# Altium PCB Exter.PcbDoc (part 1 of 2) (continued)
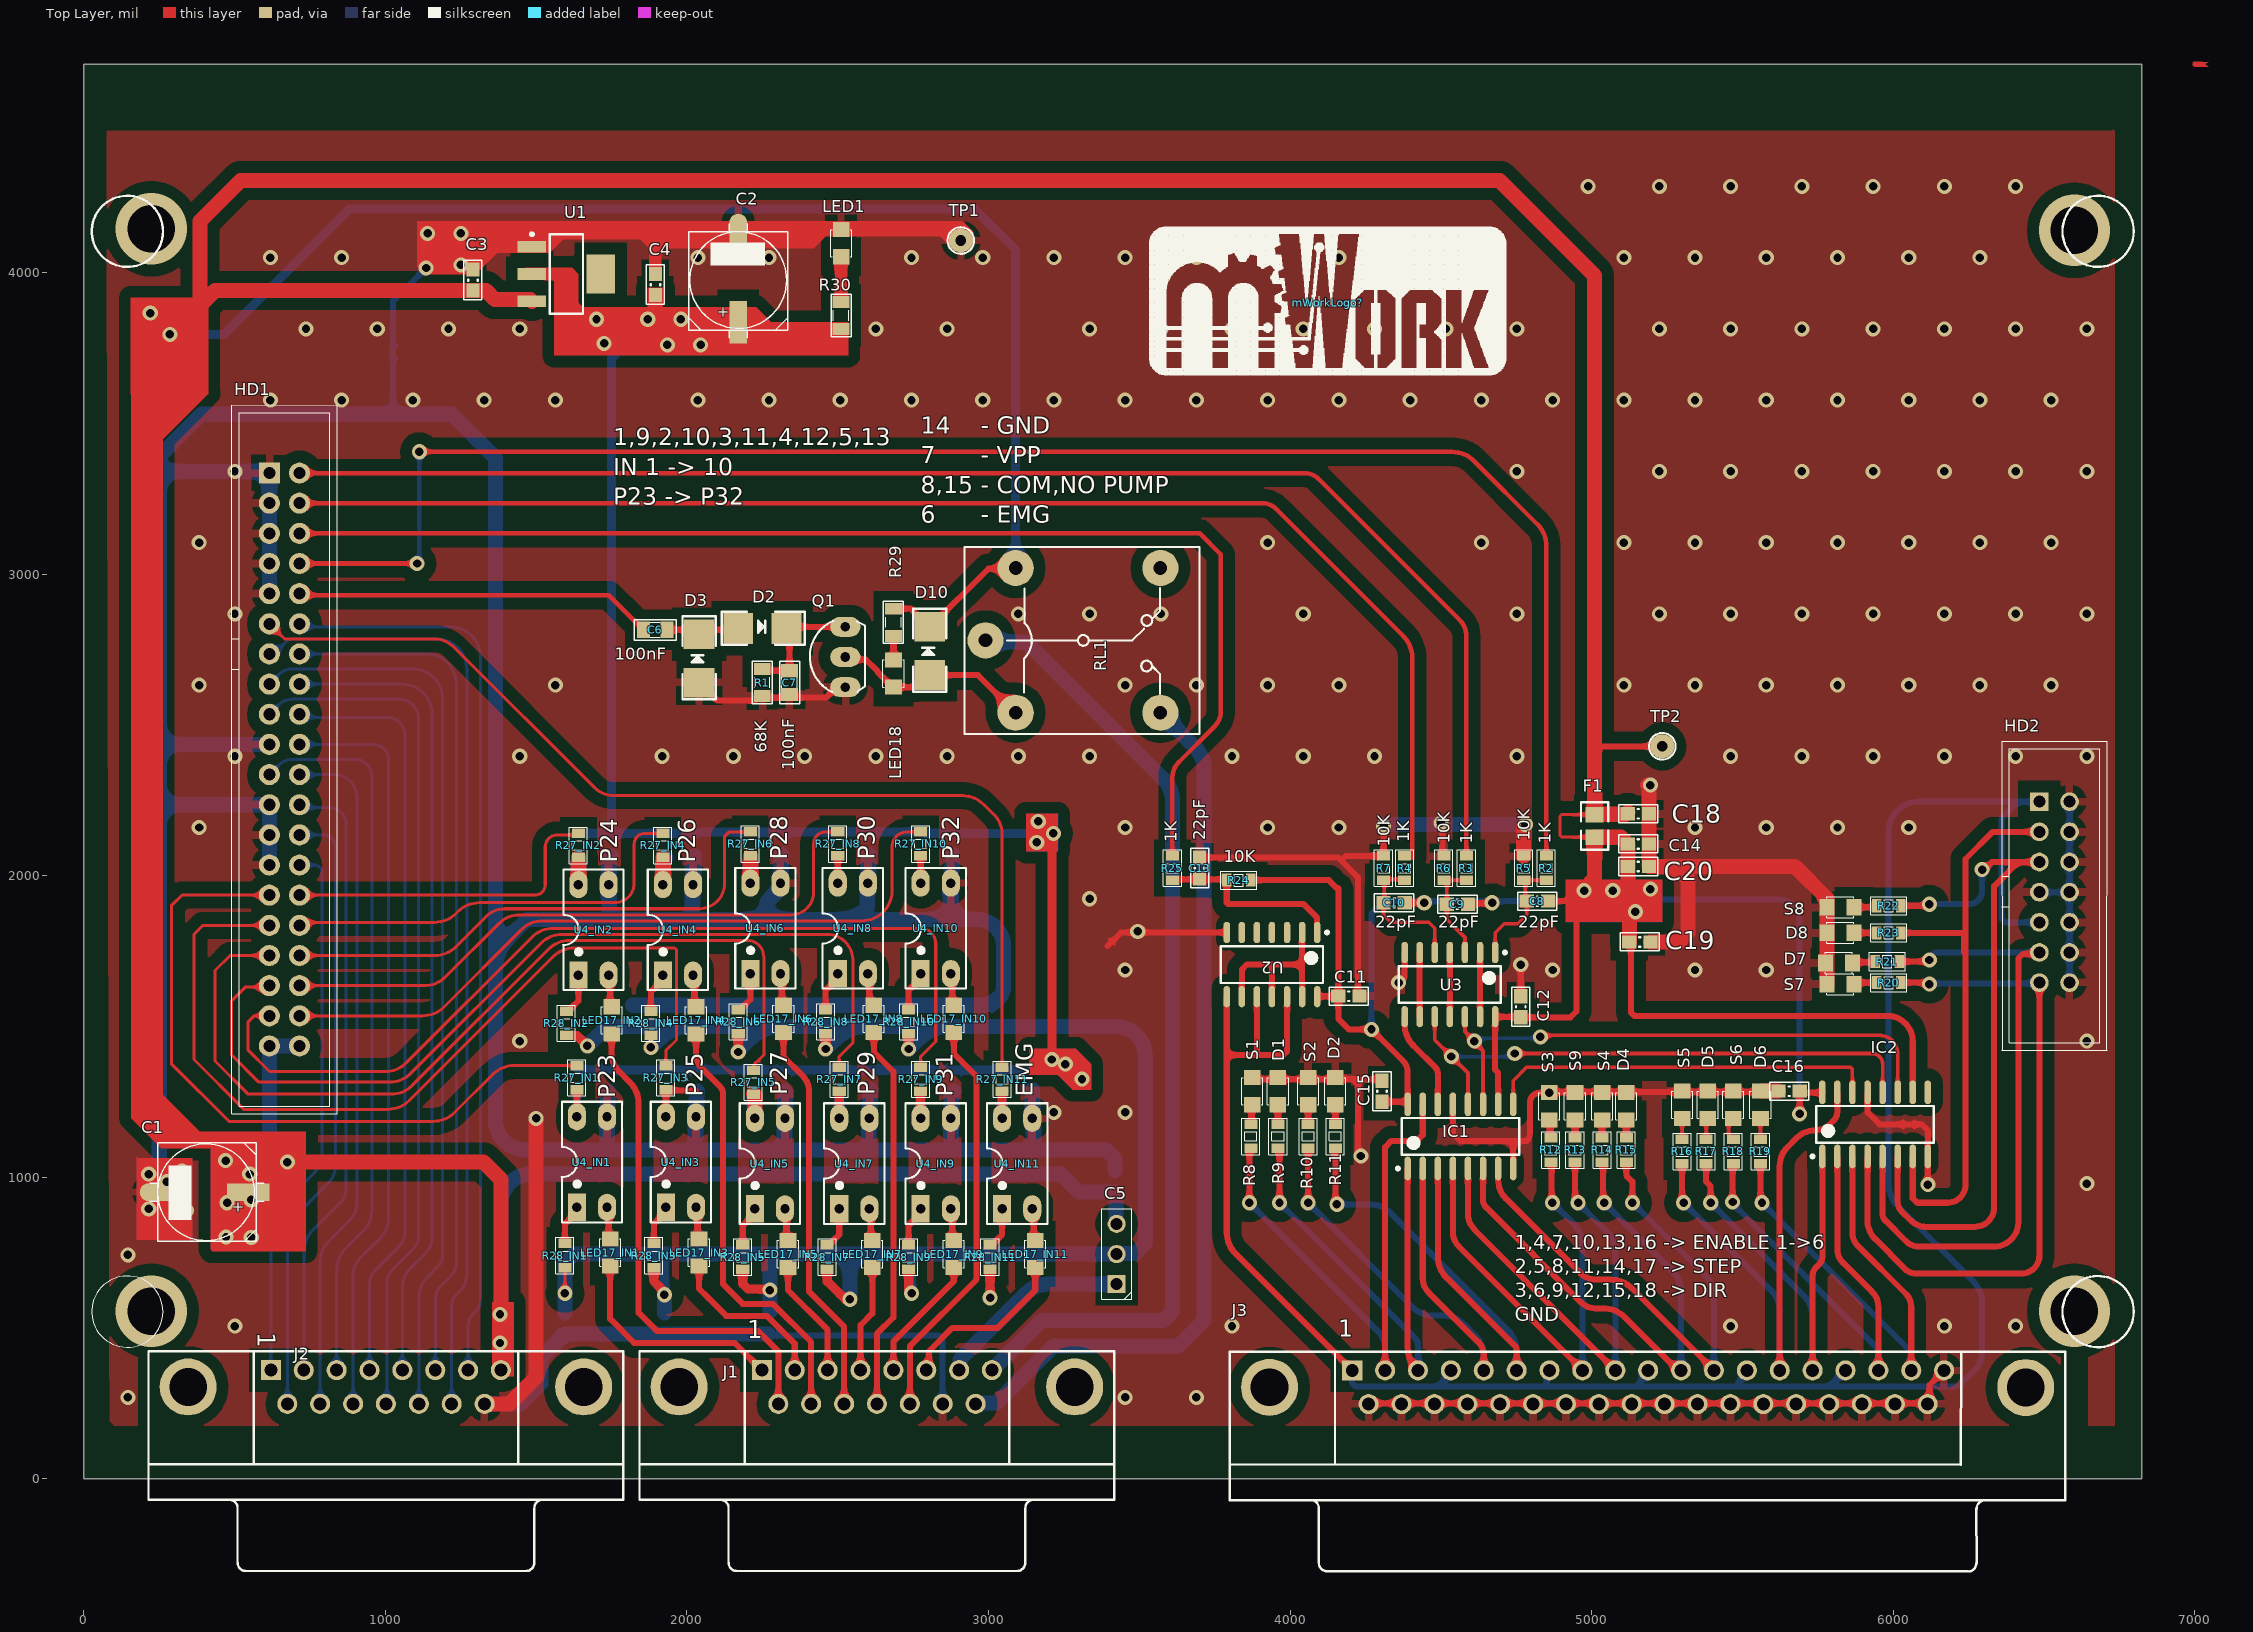
[diagram p0: Top Layer view]
## Classes and differential pairs
component class IN11: C17_IN11 LED17_IN11 R26_IN11 R27_IN11 R28_IN11 U4_IN11
component class IN10: C17_IN10 LED17_IN10 R26_IN10 R27_IN10 R28_IN10 U4_IN10
component class IN9: C17_IN9 LED17_IN9 R26_IN9 R27_IN9 R28_IN9 U4_IN9
component class IN8: C17_IN8 LED17_IN8 R26_IN8 R27_IN8 R28_IN8 U4_IN8
component class IN7: C17_IN7 LED17_IN7 R26_IN7 R27_IN7 R28_IN7 U4_IN7
component class IN6: C17_IN6 LED17_IN6 R26_IN6 R27_IN6 R28_IN6 U4_IN6
component class IN5: C17_IN5 LED17_IN5 R26_IN5 R27_IN5 R28_IN5 U4_IN5
component class IN4: C17_IN4 LED17_IN4 R26_IN4 R27_IN4 R28_IN4 U4_IN4
component class IN3: C17_IN3 LED17_IN3 R26_IN3 R27_IN3 R28_IN3 U4_IN3
component class IN2: C17_IN2 LED17_IN2 R26_IN2 R27_IN2 R28_IN2 U4_IN2
component class IN1: C17_IN1 LED17_IN1 R26_IN1 R27_IN1 R28_IN1 U4_IN1
channel class INPUT: IN1 IN2 IN3 IN4 IN5 IN6 IN7 IN8 IN9 IN10 IN11
component class ProExtBus: C8 C9 C10 C11 C12 C13 C14 C15 C16 C18 C19 C20 D1 D2 D4 D5 D6 D7 D8 F1 HD2 IC1 IC2 J3 LED2 LED3 LED4 LED5 LED6 LED7 LED8 LED9 LED10 LED11 LED12 LED13 LED14 LED15 LED16 R2 R3 R4 R5 R6 R7 R8 R9 R10 R11 R12 R13 R14 R15 R16 R17 R18 R19 R20 R21 R22 R23 R24 R25 S1 S2 S3 S4 S5 S6 S7 S8 S9 U2 U3
component class EXTERN: C1 C2 C3 C4 C5 C6 C7 C21 C22 C23 C24 C25 C26 C27 D2 D3 D10 HD1 J1 J2 LED1 LED2 LED4 LED6 LED18 mWorkLogo? Q1 R1 R29 R30 RL1 TP1 TP2 U1

## Components (designator, comment, footprint, x,y, rotation, side; value= is the part's Value field where it differs from the comment)
C1 "CN-ALU-SMD" CAP-ALU-SMD-F 405,950 r180 top
C2 "CN-ALU-SMD" CAP-ALU-SMD-F 2170,3975 r90 top
C3 "CN" CN-SMD-0603_big 1290,3975 r270 top value=33pF
C4 "CN" CN-SMD-0603_big 1895,3960 r270 top value=33pF
C5 "JP3" JP3-CLOSED 3425,645 r90 top
C6 "100nF" CN-SMD-0805 1895,2815 r0 top value=33pF
C7 "100nF" CN-SMD-0805 2340,2640 r90 top value=33pF
C8 "22pF" CN-SMD-0603_big 4820,1915 r0 top value=33pF
C9 "22pF" CN-SMD-0603_big 4555,1905 r0 top value=33pF
C10 "22pF" CN-SMD-0603_big 4345,1910 r0 top value=33pF
C11 "CN" CN-SMD-0603_big 4195,1600 r0 top value=33pF
C12 "CN" CN-SMD-0603_big 4765,1565 r90 top value=33pF
C13 "22pF" CN-SMD-0603_big 3700,2025 r270 top value=33pF
C14 "CN" CN-SMD-0603_big 5155,2105 r180 top value=33pF
C15 "CN" CN-SMD-0603_big 4305,1285 r270 top value=33pF
C16 "CN" CN-SMD-0603_big 5655,1285 r0 top value=33pF
C17_IN1 "CN" CN-SMD-0603_big 1740,1320 r270 bottom value=33pF (schematic designator C17)
C17_IN2 "CN" CN-SMD-0603_big 1750,2100 r270 bottom value=33pF (schematic designator C17)
C17_IN3 "CN" CN-SMD-0603_big 2035,1320 r270 bottom value=33pF (schematic designator C17)
C17_IN4 "CN" CN-SMD-0603_big 2025,2100 r270 bottom value=33pF (schematic designator C17)
C17_IN5 "CN" CN-SMD-0603_big 2325,1320 r270 bottom value=33pF (schematic designator C17)
C17_IN6 "CN" CN-SMD-0603_big 2315,2105 r270 bottom value=33pF (schematic designator C17)
C17_IN7 "CN" CN-SMD-0603_big 2610,1325 r270 bottom value=33pF (schematic designator C17)
C17_IN8 "CN" CN-SMD-0603_big 2605,2105 r270 bottom value=33pF (schematic designator C17)
C17_IN9 "CN" CN-SMD-0603_big 2885,1320 r270 bottom value=33pF (schematic designator C17)
C17_IN10 "CN" CN-SMD-0603_big 2880,2105 r270 bottom value=33pF (schematic designator C17)
C17_IN11 "CN" CN-SMD-0603_big 3145,1325 r270 bottom value=33pF (schematic designator C17)
C18 "CN" CN-SMD-0603_big 5155,2205 r180 top value=33pF
C19 "CN" CN-SMD-0603_big 5160,1780 r180 top value=33pF
C20 "CN" CN-SMD-0603_big 5155,2030 r180 top value=33pF
C21 "CN" CN-SMD-0603_big 2275,520 r90 bottom value=33pF
C22 "CN" CN-SMD-0603_big 1595,515 r90 bottom value=33pF
C23 "CN" CN-SMD-0603_big 1925,515 r90 bottom value=33pF
C24 "CN" CN-SMD-0603_big 3420,985 r270 bottom value=33pF
C25 "CN" CN-SMD-0603_big 2985,1535 r270 bottom value=33pF
C26 "CN" CN-SMD-0603_big 2392.5,1535 r270 bottom value=33pF
C27 "CN" CN-SMD-0603_big 1820,1535 r270 bottom value=33pF
D1 "LED" LED-0805-Blue 3959.83,1240 r90 top value="LED 3 - 5 ly 2 Colour"
D2 "LED" LED-0805-Blue 4150,1240 r90 top value="LED 3 - 5 ly 2 Colour"
D2 "Diode" DIO-SMD-106-HayDung 2250,2820 r180 top value=1N5007
D3 "Diode" DIO-SMD-106-HayDung 2040,2720 r270 top value=1N5007
D4 "LED" LED-0805-Blue 5115,1190 r90 top value="LED 3 - 5 ly 2 Colour"
D5 "LED" LED-0805-Blue 5385,1195 r90 top value="LED 3 - 5 ly 2 Colour"
D6 "LED" LED-0805-Blue 5560,1195 r90 top value="LED 3 - 5 ly 2 Colour"
D7 "LED" LED-0805-Blue 5865,1710 r180 top value="LED 3 - 5 ly 2 Colour"
D8 "LED" LED-0805-Blue 5870,1810 r180 top value="LED 3 - 5 ly 2 Colour"
D10 "1N4148" DIO-SMD-106-HayDung 2805,2745 r270 top value=1N5007
F1 "600R@100Mhz" Capacitor_805 5010,2165 r90 top
HD1 "IDC20X2" IDC40 615,3335 r270 top value="Header 5x2"
HD2 "IDC 7x2" IDC14 6485,2245 r270 top value="Header 5x2"
IC1 "74HC595" SO16 4565,1135 r90 top
IC2 "74HC595" SO16 5940,1175 r90 top
J1 "A32121-ND" DB15 2630,-70 r180 top locked
J2 "A32121-ND" DB15 1001.69,-70 r180 top locked
J3 "DB37 Female" DB37 5246.59,247.28 r270 top locked
LED1 "LED" LED-0805-Blue 2510.97,4052.19 r90 top value="LED 3 - 5 ly 2 Colour"
LED17_IN1 "LED" LED-0805-Green 1745,795 r270 top value="LED 3 - 5 ly 2 Colour" (schematic designator LED17)
LED17_IN2 "LED" LED-0805-Green 1750,1565 r270 top value="LED 3 - 5 ly 2 Colour" (schematic designator LED17)
LED17_IN3 "LED" LED-0805-Green 2040,795 r270 top value="LED 3 - 5 ly 2 Colour" (schematic designator LED17)
LED17_IN4 "LED" LED-0805-Green 2030,1565 r270 top value="LED 3 - 5 ly 2 Colour" (schematic designator LED17)
LED17_IN5 "LED" LED-0805-Green 2335,790 r270 top value="LED 3 - 5 ly 2 Colour" (schematic designator LED17)
LED17_IN6 "LED" LED-0805-Green 2320,1570 r270 top value="LED 3 - 5 ly 2 Colour" (schematic designator LED17)
LED17_IN7 "LED" LED-0805-Green 2615,790 r270 top value="LED 3 - 5 ly 2 Colour" (schematic designator LED17)
LED17_IN8 "LED" LED-0805-Green 2620,1570 r270 top value="LED 3 - 5 ly 2 Colour" (schematic designator LED17)
LED17_IN9 "LED" LED-0805-Green 2885,790 r270 top value="LED 3 - 5 ly 2 Colour" (schematic designator LED17)
LED17_IN10 "LED" LED-0805-Green 2885,1570 r270 top value="LED 3 - 5 ly 2 Colour" (schematic designator LED17)
LED17_IN11 "LED" LED-0805-Green 3155,790 r270 top value="LED 3 - 5 ly 2 Colour" (schematic designator LED17)
LED18 "LED" LED-0805-Blue 2685,2715 r270 top value="LED 3 - 5 ly 2 Colour"
mWorkLogo? "LogoMwork" LogoMwork30*12 4125,3900 r0 top
Q1 "2SC1815" TO92-123 2525,2725 r90 top value=C1815
R1 "68K" RES-SMD-0805 2250,2640 r270 top
R2 "1K" RES-SMD-0603_BIG 4850,2025 r90 top
R3 "1K" RES-SMD-0603_BIG 4585,2025 r90 top
R4 "1K" RES-SMD-0603_BIG 4380,2025 r90 top
R5 "10K" RES-SMD-0603_BIG 4775,2025 r90 top
R6 "10K" RES-SMD-0603_BIG 4510,2025 r90 top
R7 "10K" RES-SMD-0603_BIG 4310,2025 r90 top
R8 "R" RES-SMD-0603_BIG 3870,1135 r90 top
R9 "R" RES-SMD-0603_BIG 3960,1135 r90 top
R10 "R" RES-SMD-0603_BIG 4060,1135 r90 top
R11 "R" RES-SMD-0603_BIG 4150,1135 r90 top
R12 "R" RES-SMD-0603_BIG 4865,1090 r90 top
R13 "R" RES-SMD-0603_BIG 4945,1090 r90 top
R14 "R" RES-SMD-0603_BIG 5035,1090 r90 top
R15 "R" RES-SMD-0603_BIG 5115,1090 r90 top
R16 "R" RES-SMD-0603_BIG 5300,1085 r90 top
R17 "R" RES-SMD-0603_BIG 5380,1085 r90 top
R18 "R" RES-SMD-0603_BIG 5470,1085 r90 top
R19 "R" RES-SMD-0603_BIG 5560,1085 r90 top
R20 "R" RES-SMD-0603_BIG 5985,1645 r180 top
R21 "R" RES-SMD-0603_BIG 5980,1715 r180 top
R22 "R" RES-SMD-0603_BIG 5985,1900 r180 top
R23 "R" RES-SMD-0603_BIG 5985,1810 r180 top
R24 "10K" RES-SMD-0603_BIG 3830,1985 r180 top
R25 "1K" RES-SMD-0603_BIG 3610,2025 r90 top
R26_IN1 "5K" RES-SMD-0603_BIG 1635,1320 r270 bottom (schematic designator R26)
R26_IN2 "5K" RES-SMD-0603_BIG 1640,2100 r270 bottom (schematic designator R26)
R26_IN3 "5K" RES-SMD-0603_BIG 1930,1325 r270 bottom (schematic designator R26)
R26_IN4 "5K" RES-SMD-0603_BIG 1920,2100 r270 bottom (schematic designator R26)
R26_IN5 "5K" RES-SMD-0603_BIG 2220,1315 r270 bottom (schematic designator R26)
R26_IN6 "5K" RES-SMD-0603_BIG 2210,2105 r270 bottom (schematic designator R26)
R26_IN7 "5K" RES-SMD-0603_BIG 2505,1325 r270 bottom (schematic designator R26)
R26_IN8 "5K" RES-SMD-0603_BIG 2500,2105 r270 bottom (schematic designator R26)
R26_IN9 "5K" RES-SMD-0603_BIG 2775,1325 r270 bottom (schematic designator R26)
R26_IN10 "5K" RES-SMD-0603_BIG 2775,2110 r270 bottom (schematic designator R26)
R26_IN11 "5K" RES-SMD-0603_BIG 3045,1325 r270 bottom (schematic designator R26)
R27_IN1 "390" RES-SMD-0603_BIG 1635,1330 r270 top (schematic designator R27)
R27_IN2 "390" RES-SMD-0603_BIG 1640,2100 r270 top (schematic designator R27)
R27_IN3 "390" RES-SMD-0603_BIG 1930,1330 r270 top (schematic designator R27)
R27_IN4 "390" RES-SMD-0603_BIG 1920,2100 r270 top (schematic designator R27)
R27_IN5 "390" RES-SMD-0603_BIG 2220,1315 r270 top (schematic designator R27)
R27_IN6 "390" RES-SMD-0603_BIG 2210,2105 r270 top (schematic designator R27)
R27_IN7 "390" RES-SMD-0603_BIG 2505,1325 r270 top (schematic designator R27)
R27_IN8 "390" RES-SMD-0603_BIG 2500,2105 r270 top (schematic designator R27)
R27_IN9 "390" RES-SMD-0603_BIG 2775,1325 r270 top (schematic designator R27)
R27_IN10 "390" RES-SMD-0603_BIG 2775,2105 r270 top (schematic designator R27)
R27_IN11 "390" RES-SMD-0603_BIG 3045,1325 r270 top (schematic designator R27)
R28_IN1 "2K" RES-SMD-0603_BIG 1595,740 r90 top (schematic designator R28)
R28_IN2 "2K" RES-SMD-0603_BIG 1600,1510 r90 top (schematic designator R28)
R28_IN3 "2K" RES-SMD-0603_BIG 1890,740 r90 top (schematic designator R28)
R28_IN4 "2K" RES-SMD-0603_BIG 1880,1510 r90 top (schematic designator R28)
R28_IN5 "2K" RES-SMD-0603_BIG 2185,735 r90 top (schematic designator R28)
R28_IN6 "2K" RES-SMD-0603_BIG 2170,1515 r90 top (schematic designator R28)
R28_IN7 "2K" RES-SMD-0603_BIG 2465,735 r90 top (schematic designator R28)
R28_IN8 "2K" RES-SMD-0603_BIG 2460,1515 r90 top (schematic designator R28)
R28_IN9 "2K" RES-SMD-0603_BIG 2735,735 r90 top (schematic designator R28)
R28_IN10 "2K" RES-SMD-0603_BIG 2735,1515 r90 top (schematic designator R28)
R28_IN11 "2K" RES-SMD-0603_BIG 3005,735 r90 top (schematic designator R28)
R29 "2.2K" RES-SMD-0805 2685,2840 r270 top
R30 "2.2K" RES-SMD-0805 2510.84,3857.63 r90 top
RL1 "Relay 10A/12V" "RELAY 5" 3315,2780 r0 top value="Relay SPDT, 10A, 12V"
S1 "LED" LED-0805-Blue 3875,1240 r90 top value="LED 3 - 5 ly 2 Colour"
S2 "LED" LED-0805-Blue 4060,1240 r90 top value="LED 3 - 5 ly 2 Colour"
S3 "LED" LED-0805-Blue 4860,1190 r90 top value="LED 3 - 5 ly 2 Colour"
S4 "LED" LED-0805-Blue 5035,1190 r90 top value="LED 3 - 5 ly 2 Colour"
S5 "LED" LED-0805-Blue 5300,1195 r90 top value="LED 3 - 5 ly 2 Colour"
S6 "LED" LED-0805-Blue 5470,1195 r90 top value="LED 3 - 5 ly 2 Colour"
S7 "LED" LED-0805-Blue 5870,1640 r180 top value="LED 3 - 5 ly 2 Colour"
S8 "LED" LED-0805-Blue 5870,1895 r180 top value="LED 3 - 5 ly 2 Colour"
S9 "LED" LED-0805-Blue 4945,1190 r90 top value="LED 3 - 5 ly 2 Colour"
TP1 "TP" TP1 2908.26,4106.04 r0 top value="Test Point"
TP2 "TP" TP1 5234.42,2428.77 r0 top value="Test Point"
U1 "LM1117-3.3V" SOT223 1600,3995 r270 top
U2 "7414" SO14 3940,1705 r270 top
U3 "7414" SO14 4530,1638.7 r270 top
U4_IN1 "PC847" DIP4 1635,900 r0 top value=PC817 (schematic designator U4)
U4_IN2 "PC847" DIP4 1640,1670 r0 top value=PC817 (schematic designator U4)
U4_IN3 "PC847" DIP4 1930,900 r0 top value=PC817 (schematic designator U4)
U4_IN4 "PC847" DIP4 1920,1670 r0 top value=PC817 (schematic designator U4)
U4_IN5 "PC847" DIP4 2225,895 r0 top value=PC817 (schematic designator U4)
U4_IN6 "PC847" DIP4 2210,1675 r0 top value=PC817 (schematic designator U4)
U4_IN7 "PC847" DIP4 2505,895 r0 top value=PC817 (schematic designator U4)
U4_IN8 "PC847" DIP4 2500,1675 r0 top value=PC817 (schematic designator U4)
U4_IN9 "PC847" DIP4 2775,895 r0 top value=PC817 (schematic designator U4)
U4_IN10 "PC847" DIP4 2775,1675 r0 top value=PC817 (schematic designator U4)
U4_IN11 "PC847" DIP4 3045,895 r0 top value=PC817 (schematic designator U4)

## Footprints (in the part's own frame and the unit in brackets; to place one, negate y for a bottom-side part, rotate by r counter-clockwise, add the part's x,y. Pads: shape width x height; smd on the part's side, far side on the other; paste and mask are expansions set on the pad)
CAP-ALU-SMD-F [mil]
  rect 140x59.06 smd: 1(-140,0)
  oval 140x59.06 smd: 2(150,0)
  silkscreen extent -192,-163 187,163, body extent -195,-163 195,163, height 402
Capacitor_805 [mm]
  rect 1.3x1.5 smd: 1(0.95,0) 2(-0.95,0)
  silkscreen extent -2,-1.15 2,1.15, body extent -1,-0.63 1,0.62, height 0.78
CN-SMD-0603_big [mm]
  rect 1.2x1.1 smd: 1(-0.889,0) 2(0.889,0)
  silkscreen extent -1.65,-0.76 1.65,0.76, body extent -0.8,-0.4 0.8,0.4, height 0.3
CN-SMD-0805 [mil]
  rect 43.31x55 smd: 1(-39.36,0.01) 2(39.37,0.01)
  silkscreen extent -70,-34 70,33, body extent -39,-25 39,25, height 31
DB15 [mm] "Connector; D Subminiature AMPLIMITE 2000; 15 Position; Right Angle"
  rect 1.69x1.69 hole 1.09: 1(9.695,-10.92)
  round 1.69 hole 1.09: 2(6.925,-10.92) 3(4.155,-10.92) 4(1.385,-10.92) 5(-1.385,-10.92) 6(-4.155,-10.92) 7(-6.925,-10.92) 8(-9.683,-10.925) 9(8.31,-8.08) 10(5.54,-8.08) 11(2.77,-8.08) 12(0,-8.08) 13(-2.77,-8.08) 14(-5.54,-8.08) 15(-8.31,-8.08)
  round 4.8 hole 3.18: 16(16.66,-9.5) 17(-16.66,-9.5)
  silkscreen extent -20,-12.5 20,6, body extent -19.56,-12.7 20.06,6.1, height 12.56
DB37 [mm]
  rect 1.69x1.69 hole 1.09: 1(-2.842,-26.427)
  round 1.69 hole 1.09: 2(-2.842,-23.657) 3(-2.842,-20.887) 4(-2.842,-18.117) 5(-2.842,-15.347) 6(-2.842,-12.577) 7(-2.842,-9.807) 8(-2.842,-7.037) 9(-2.842,-4.267) 10(-2.842,-1.497) 11(-2.842,1.27) 12(-2.842,4.043) 13(-2.842,6.813) 14(-2.842,9.583) 15(-2.842,12.353) 16(-2.842,15.123) 17(-2.842,17.893) 18(-2.842,20.663) 19(-2.842,23.433) 20(-0.002,-25.042) 21(-0.002,-22.272) 22(-0.002,-19.502) 23(-0.002,-16.732) 24(-0.002,-13.962) 25(-0.002,-11.192) 26(-0.002,-8.422) 27(-0.002,-5.652) 28(-0.002,-2.882) 29(-0.002,-0.112) 30(-0.002,2.658) 31(-0.002,5.428) 32(-0.002,8.198) 33(-0.002,10.968) 34(-0.002,13.738) 35(-0.002,16.508) 36(-0.002,19.278) 37(-0.002,22.048)
  round 4.8 hole 3.18: 38(-1.416,-33.395) 39(-1.397,30.306)
  silkscreen extent -4.42,-36.73 14.1,33.66, body extent -4.14,-36.35 18.92,33.3, height 12.71
DIO-SMD-106-HayDung [mm]
  rect 2.5x2.6 smd: 1(2.032,0) 2(-2.032,0)
  silkscreen extent -3.56,-1.4 3.43,1.4, body extent -2.51,-1.28 2.69,1.32, height 2.4
DIP4 [mil]
  rect 60x90 hole 31: 1(0,0)
  oval 60x90 hole 31: 2(100,0) 3(100,300) 4(0,300)
  silkscreen extent -50,-50 150,350, body extent -59,-10 159,305, height 170
IDC14 [mil]
  rect 62x62 hole 40: 1(0,0)
  round 62 hole 40: 2(0,100) 3(100,0) 4(100,100) 5(200,0) 6(200,100) 7(300,0) 8(300,100) 9(400,0) 10(400,100) 11(500,0) 12(500,100) 13(600,0) 14(600,100)
  silkscreen extent -200,-125 825,225, body extent -202,-125 825,225, height 358
IDC40 [mil]
  rect 70x70 hole 40: 1(0,0)
  round 70 hole 40: 2(0,100) 3(100,0) 4(100,100) 5(200,0) 6(200,100) 7(300,0) 8(300,100) 9(400,0) 10(400,100) 11(500,0) 12(500,100) 13(600,0) 14(600,100) 15(700,0) 16(700,100) 17(800,0) 18(800,100) 19(900,0) 20(900,100) 21(1000,0) 22(1000,100) 23(1100,0) 24(1100,100) 25(1200,0) 26(1200,100) 27(1300,0) 28(1300,100) 29(1400,0) 30(1400,100) 31(1500,0) 32(1500,100) 33(1600,0) 34(1600,100) 35(1700,0) 36(1700,100) 37(1800,0) 38(1800,100) 39(1900,0) 40(1900,100)
  silkscreen extent -226,-125 2125,225, body extent -225,-125 2125,225, height 358
JP3-CLOSED [mil]
  rect 60x60 hole 40: 1(0,0)
  round 60 hole 40: 2(100,0) 3(200,0)
  silkscreen extent -50,-50 250,50, body extent -52,-50 250,50, height 300
LED-0805-Blue [mil]
  rect 50x55 smd: 1(0,0) 2(90,0)
  silkscreen extent 0,-35 90,35, body extent 5,-25 85,25, height 43
LED-0805-Green [mil]
  rect 50x55 smd: 1(0,0) 2(90,0)
  silkscreen extent 0,-35 90,35, body extent 5,-25 85,25, height 43
LogoMwork30*12 [mil] "30mm*12mm"
  silkscreen extent -592,-239 592,253
"RELAY 5" [mil] "Reley DPDT, 8 pin, 1A, W400mil, L800mil,H 300mil"
  round 120 hole 45: 1(-325,0) 2(255,240) 3(255,-240) 4(-225,-240) 5(-225,240)
  silkscreen extent -395,-310 385,310, body extent -371,-304 381,306, height 602
RES-SMD-0603_BIG [mm]
  rect 0.8x1.1 smd: 1(-1.016,0) 2(1.016,0)
  silkscreen extent -1.52,-0.76 1.52,0.76, body extent -0.8,-0.4 0.8,0.4, height 0.43
RES-SMD-0805 [mil]
  rect 39.37x55 smd: 1(-45,0) 2(45,0)
  silkscreen extent -70,-34 70,33, body extent -39,-25 39,25, height 31
SO14 [mm] "SOIC, 14-Leads, Body 8.60x3.90mm, Pitch 1.27mm, IPC Medium Density"
  oval 1.8x0.55 smd: 1(-2.7,3.81) 2(-2.7,2.54) 3(-2.7,1.27) 4(-2.7,0) 5(-2.7,-1.27) 6(-2.7,-2.54) 7(-2.7,-3.81) 8(2.7,-3.81) 9(2.7,-2.54) 10(2.7,-1.27) 11(2.7,0) 12(2.7,1.27) 13(2.7,2.54) 14(2.7,3.81)
  silkscreen extent -2.82,-4.3 1.55,4.76, body extent -2.87,-4.3 3.13,4.3, height 1.75
SO16 [mm] "SOIC, 16-Leads, Body 9.90x3.91mm, Pitch 1.27mm, IPC Medium Density"
  oval 2x0.55 smd: 1(-2.7,4.445) 2(-2.7,3.175) 3(-2.7,1.905) 4(-2.7,0.635) 5(-2.7,-0.635) 6(-2.7,-1.905) 7(-2.7,-3.175) 8(-2.7,-4.445) 9(2.7,-4.445) 10(2.7,-3.175) 11(2.7,-1.905) 12(2.7,-0.635) 13(2.7,0.635) 14(2.7,1.905) 15(2.7,3.175) 16(2.7,4.445)
  silkscreen extent -2.82,-4.95 1.55,5.39, body extent -3,-4.95 3,4.95, height 1.4
SOT223 [mm]
  rect 1x2.4 smd: 1(-2.3,-2.9) 2(0,-2.9) 3(2.3,-2.9)
  rect 3.3x2.4 smd: 4(0,2.9)
  silkscreen extent -3.47,-3.02 3.35,1.4, body extent -3.25,-3.56 3.25,3.4, height 1.68
TO92-123 [mil] "TO-92"
  oval 66x100 hole 32: 1(-100,0) 2(0,0) 3(100,0)
  silkscreen extent -117,-65 120,118, body extent -109,-66 109,95, height 245
TP1 [mil] "Test point"
  round 80 hole 35: 1(0,0)
  silkscreen extent -44,-44 44,44, body extent -50,-50 50,50, height 178

## Part data
C1 C2: "Polarized Capacitor (Axial)", LatestRevisionDate=17-Jul-2002, LatestRevisionNote="Re-released for DXP Platform.", PackageReference=POLAR0.8, Published=8-Jun-2000, Publisher="Altium Limited"
C5: "WR-PHD 2.54 mm Angled Socket Header", Manufacturer="W¨¹rth Elektronik eiSos GmbH", partNo=613003143121, ComponentLink1 Description=Manufacturer, ComponentLink1URL=http://www.we-online.com, ComponentLink2 Description=Datasheet, ComponentLink2URL=http://katalog.we-online.de/em/datasheet/6130xx143121.pdf, Created by="Karrer Zheng", Created Date="29 March 2013", NoPins=03
C6 C7 C8 C9 C10 C13: library part CN
D1 D2 D4 D5 D6 D7 D8 LED1 LED17_IN1 LED17_IN2 LED17_IN3 LED17_IN4 LED17_IN5 LED17_IN6 LED17_IN7 LED17_IN8 LED17_IN9 LED17_IN10 LED17_IN11 LED18 S1 S2 S3 S4 S5 S6 S7 S8 S9: library part "LED SMD"
D2 D3: "Default Diode", Code - JEDEC=DO-214-AB, ComponentLink1Description="ES1J - STMBL", ComponentLink1URL=https://banlinhkien.vn/goods-8089-es1j-do214-diode-1a-600v-sma-es1j-.html, Published=8-Jun-2000, Publisher="Altium Limited", Revision="July-2002: Re-released for DXP Platform."
D10: library part Diode, "Default Diode", Code - JEDEC=DO-214-AB, ComponentLink1Description="ES1J - STMBL", ComponentLink1URL=https://banlinhkien.vn/goods-8089-es1j-do214-diode-1a-600v-sma-es1j-.html, Published=8-Jun-2000, Publisher="Altium Limited", Revision="July-2002: Re-released for DXP Platform."
F1: library part Ferrite
HD1: "IDC 13x2"
HD2: library part "IDC 7X2"
IC1 IC2: library part 74595, "8 Bit Serial input - Parallel Output"
J1 J2: library part DB15, "Receptacle Assembly, 15 Position, Right Angle", PackageDocument=O, DatasheetDocument=1-Sep-99, Gender=Receptacle, LatestRevisionDate=17-Jul-2002, LatestRevisionNote="Re-released for DXP Platform.", Orientation="Right Angle", PackageReference=788757, Positions=15, Published=15-Jun-2001, Publisher="Altium Limited"
Q1: "NPN 600mW, ECB", =C2383
R1 R2 R3 R4 R5 R6 R7 R24 R25 R26_IN1 R26_IN2 R26_IN3 R26_IN4 R26_IN5 R26_IN6 R26_IN7 R26_IN8 R26_IN9 R26_IN10 R26_IN11 R27_IN1 R27_IN2 R27_IN3 R27_IN4 R27_IN5 R27_IN6 R27_IN7 R27_IN8 R27_IN9 R27_IN10 R27_IN11 R28_IN1 R28_IN2 R28_IN3 R28_IN4 R28_IN5 R28_IN6 R28_IN7 R28_IN8 R28_IN9 R28_IN10 R28_IN11 R29 R30: library part R
RL1: library part "Relay 5", "Relay SPDT,10A - 12VDC 5 Pin", ="Relay SPDT, 10A, 24V"
TP1 TP2: library part TP1, "Test Point"
U1: library part LM1117, "800mA Low-Dropout Linear Regulator", Creator="Nguyen Ba Bien", Website=http://group3i.net
U2 U3: "IC, M74HC04M, Hex Inverter, SO-14", Text Field1=ST, Text Field2=M74HC04M1R, Text Field3=Mouser, Text Field4=511-M74HC04M, Text Field5=SO-14, Text Field6=.22
U4_IN1 U4_IN2 U4_IN3 U4_IN4 U4_IN5 U4_IN6 U4_IN7 U4_IN8 U4_IN9 U4_IN10 U4_IN11: library part PC817, "Single Opto"

## Via types
v1: diameter 50, hole 28, Top Layer to Bottom Layer, tented both sides, 246 vias
v2: diameter 236.22, hole 157.48, Top Layer to Bottom Layer, tented both sides, 4 vias

## Nets (pads, with @x,y where several pads share a name; then routed paths per layer and width w, separated by ;. In a path a pad name is that pad's centre, name@x,y a point inside that pad or via, vN(x,y) a via of type N, cw(c..) or ccw(c..) an arc to the next point about the centre after c; other vN are vias at no path point)
+5: C1.1 C3.2 C5.3 C8.2 C9.2 C10.2 C11.1 C12.1 C14.2 C15.2 C16.2 C18.2 C19.2 C20.2 C24.2 D10.2 F1.1 F1.2 HD1.39 HD1.40 IC1.10 IC1.16 IC2.10 IC2.16 J2.8 R24.1 R29.1 RL1.5 TP2.1 U1.3 U2.14 U3.14 | length 28706.8
  Top Layer w10: F1.2@5010,2127.6 4900.86,2127.6 4895,2133.46 4895,2196.54 4900.86,2202.4 F1.1@5010,2202.4
  Top Layer w20: R29.1@2685,2885 2743.03,2885 2803.03,2825 D10.2@2805,2825 2806.97,2825 3000,3018.03 3088.03,3018.03 RL1.5@3090,3020 ; R24.1@3870,1985 4128.28,1985 4154.97,1958.31 4158.31,1958.31 4160,1956.62 C11.1@4160,1600 ; U2.14@4090,1598.7 4090.65,1599.35 4159.35,1599.35 C11.1@4160,1600 ; C15.2@4305,1250 4390,1250 4390,1348.79 ccw(c4338.79,1348.79) 4375.01,1384.99 v1(4270,1490) 4195,1490 4160,1525 C11.1@4160,1600 ; C10.2@4380,1910 v1(4445,1910) ; C9.2@4590,1905 4592.5,1907.5 4667.5,1907.5 v1(4670,1910) ; U3.14@4680,1531.96 4680.76,1531.2 4763.8,1531.2 C12.1@4765,1530 4930,1530 4950,1550 4950,1923.64 4975,1948.64 v1(4975,1950) ; U3.14@4680,1532.4 4680,1356.76 4690,1346.76 IC1.10@4690,1241.3 ; C8.2@4855,1915 4910,1915 4941.11,1946.11 4971.11,1946.11 v1(4975,1950) ; 5010,2410 5028.77,2428.77 TP2.1@5234.42,2428.77 ; C16.2@5685,1280 5724.62,1280 ; v1(5690,1210) 5690,1275 5695,1280 5724.62,1280 ; IC2.16@5765,1281.3 5765,1280.76 5764.24,1280 5724.62,1280 ; IC2.10@6065,1281.3 6065,1450 ccw(c5980,1450) 6063.92,1463.51 ccw(c5980,1450) 5993.51,1533.92 ccw(c5980,1450) 5980,1535 5141.72,1535 5130,1546.72 5130,1780 5130,1860 5105,1885 4975,1885 v1(4975,1950)
  Top Layer w50: 215,1245 215,3700 ; 215,3720 v1@287.5,3792.5 ; 225,3720 365,3720 ; v1@485,1070 545,1010 C1.1@545,950 C1.1@555,950 ; v1(675,1050) 1325,1050 1382.91,992.09 J2.8@1382.91,360.12 ; U1.3@1485.83,3904.45 1480.51,3909.76 1363.58,3909.76 1333.35,3940 C3.2@1290,3940 435,3940 385,3890 385,4170 520,4305 4695,4305 5010,3990 5010,2428.77 5010,2410 F1.1@5010,2202.4 5010.59,2202.99 5112.99,2202.99 C18.2@5120,2210 ; v1(4975,1950) 4975,1955 5010,1990 F1.2@5010,2127.6 5010.59,2127.01 5097.99,2127.01 C14.2@5120,2105 C20.2@5120,2030 5120,1930 5145,1905 v1(5145,1880) 5125,1860 C19.2@5125,1780
  Bottom Layer w20: v1(4270,1490) 4270,1875 4310,1915 5215,1915 ; v1(5195,1955) 5230,1920 5625,1920 cw(c5625,1855) 5690,1855 v1(5690,1210)
  Bottom Layer w30: v1(285,3795) 465,3795 880,4210 2955,4210 3090,4075 RL1.5@3090,3020 ; v1@450.65,801.21 v1(471.21,801.21) 500,830 500,960 v1(550,1010)
  Bottom Layer w50: v1(550,1010) 550,1025 615,1090 HD1.39@615,1435 HD1.40@715,1435 ; J2.8@1382.91,360.12 1382.91,910 cw(c1482.91,910) 1482.91,1010 3240,1010 3300,950 C24.2@3420,950 3423.09,946.91 3423.09,846.91 C5.3@3425,845
  other v1: 1380,450 1380,545 555,800 475,915 555,925 470,1055 5070,1950 220,3865
+12: C5.2 C21.2 C22.2 C23.2 C25.2 C26.2 C27.2 R28_IN1.1 R28_IN2.1 R28_IN3.1 R28_IN4.1 R28_IN5.1 R28_IN6.1 R28_IN7.1 R28_IN8.1 R28_IN9.1 R28_IN10.1 R28_IN11.1 | length 6795.7
  Top Layer w10: v1(1595,615) R28_IN1.1@1595,700
  Top Layer w30: R28_IN2.1@1600,1470 1600.75,1469.25 1635.75,1469.25 v1(1670,1435) ; R28_IN3.1@1890,700 1890,655 v1@1915,630 ; v1(2170,1415) R28_IN6.1@2170,1475 ; R28_IN5.1@2185,695 2185,646.4 2202.57,628.83 2271.17,628.83 v1(2275,625) ; v1(2460,1425) R28_IN8.1@2460,1475 ; R28_IN7.1@2465,695 2465.13,694.87 2465.13,654.09 2524.23,595 v1(2540,595) ; R28_IN9.1@2735,695 2735,630.41 2745,620.41 v1(2745,615) ; v1(2735,1425) R28_IN10.1@2735,1475 ; v1(3005,600) R28_IN11.1@3005,695
  Bottom Layer w30: v1(1925,610) 1925,735 1935,745 ; v1(2745,615) 2745,740 2750,745 ; v1(3005,600) 3005,745
  Bottom Layer w50: C22.2@1595,550 v1(1595,615) 1595,715.71 1624.29,745 1935,745 2280,745 ; v1(1670,1435) 1735,1500 C27.2@1820,1500 1950,1500 ; v1(1880,1430) 1950,1500 ; C23.2@1925,550 v1(1925,610) ; v1(2170,1415) 2170,1420 2250,1500 ; C21.2@2275,555 v1(2275,625) 2275,740 2280,745 ; v1(2460,1425) 2535,1500 ; v1(2540,595) 2540,745 ; v1(2735,1425) 2810,1500 ; 1950,1500 2250,1500 ; 2250,1500 C26.2@2392.5,1500 2535,1500 ; 2280,745 2540,745 ; 2535,1500 2810,1500 ; 2540,745 2750,745 3005,745 C5.2@3425,745 3426.91,746.91 3486.91,746.91 3520,780 3520,1400 ccw(c3420,1400) 3420,1500 C25.2@2985,1500 2810,1500
DIR0: IC1.1 J3.3 R9.1 | length 1606.2
  Top Layer w20: R9.1@3960,1095 3965,1090 v1(3965,915) ; IC1.1@4390,1028.7 4390,434.85 ccw(c4490,434.85) 4419.29,364.14 J3.3@4424.25,359.18
  Bottom Layer w20: v1(3965,915) 4415,465 cw(c4392.66,442.66) 4424.25,442.66 J3.3@4424.25,359.18
DIR1: IC1.3 J3.6 R11.1 | length 1837.3
  Top Layer w20: v1@4150,908.31 R11.1@4150,1095 ; IC1.3@4490,1028.7 4490,736.42 ccw(c4590,736.42) 4519.29,665.71 4751.42,433.58 J3.6@4751.42,359.18
  Bottom Layer w20: v1(4155,910) 4263.58,910 cw(c4263.58,810) 4334.29,880.71 4722.13,492.87 cw(c4651.42,422.16) 4751.42,422.16 J3.6@4751.42,359.18
DIR2: IC1.5 J3.9 R13.1 | length 1610.6
  Top Layer w20: IC1.5@4590,1028.7 4590,878 ccw(c4663,878) 4611.38,826.38 J3.9@5078.58,359.18 ; R13.1@4945,1050 4945,933.12 4955,923.12 v1(4955,915)
  Bottom Layer w20: v1(4955,915) 5049.29,820.71 cw(c4978.58,750) 5078.58,750 J3.9@5078.58,359.18
DIR3: IC1.7 J3.12 R15.1 | length 1832.5
  Top Layer w20: IC1.7@4690,1028.7 4690,990.36 ccw(c4775.36,990.36) 4714.96,930.04 ccw(c4775.36,990.36) 4715,930 4963.79,681.21 ccw(c5015,732.43) 5015,660 5063.51,660 cw(c5063.51,560) 5134.22,630.71 J3.12@5405.75,359.18 ; R15.1@5115,1050 5115,1005 5135,985 v1(5135,915)
  Bottom Layer w20: v1(5135,915) 5135.75,915 5376.46,674.29 cw(c5305.75,603.58) 5405.75,603.58 J3.12@5405.75,359.18
DIR4: IC2.1 J3.15 R17.1 | length 1547.5
  Top Layer w20: R17.1@5380,1045 5380,985 5395,970 v1(5395,915) ; J3.15@5732.91,359.18 5732.91,672.73 cw(c5773.5,672.73) 5744.77,701.4 ; 5744.8,701.43 5756.69,713.31 ; 5756.7,713.33 ccw(c5736.62,733.38) 5765,733.38 IC2.1@5765,1068.7
  Bottom Layer w20: v1(5395,915) 5703.62,606.38 cw(c5632.91,535.67) 5732.91,535.67 J3.15@5732.91,359.18
DIR5: IC2.3 J3.18 R19.1 | length 1678.1
  Top Layer w20: R19.1@5560,1045 5560,920 v1(5565,915) ; IC2.3@5865,1068.7 5865,814.75 ccw(c5924.75,814.75) 5882.47,772.53 ; 5882.5,772.5 6042.5,612.5 cw(c6000.06,570.06) 6060.08,570.06 J3.18@6060.08,359.18
  Bottom Layer w20: v1(5565,915) 6057.55,422.45 6057.55,361.7 J3.18@6060.08,359.18
DIR6: HD2.11 IC2.5 R21.1 | length 2179.3
  Top Layer w20: IC2.5@5965,1068.7 5965,879.14 ccw(c5999.14,879.14) 5974.98,855.02 6042.5,787.5 ccw(c6084.75,829.75) 6084.75,770 6335,770 ccw(c6335,850) 6415,850 6415,1725 6430,1740 6480,1740 HD2.11@6485,1745 ; R21.1@6020,1715 6125,1715 v1@6130,1720
  Bottom Layer w20: v1(6120,1720) cw(c6145,1720) 6145,1745 HD2.11@6485,1745
DIR7: HD2.3 IC2.7 R23.1 | length 1992.3
  Top Layer w20: R23.1@6025,1810 6235,1810 6235,1746.07 ; IC2.7@6065,1068.7 6065,1010.7 ; 6066.37,1009.33 6065,1010.7 ; HD2.3@6485,2145 6330,2145 6240,2055 6240,975 cw(c6180,975) 6180,915 6080,915 6065,930 6065,1010.7
EMG: HD1.11 R27_IN11.1 | length 3497.3
  Top Layer w10: HD1.11@615,2835 665,2785 1161.11,2785 cw(c1161.11,2691.11) 1227.5,2757.5 1692.5,2292.5 ccw(c1758.89,2358.89) 1758.89,2265 2913.58,2265 cw(c2913.58,2165) 2984.29,2235.71 3020,2200 cw(c2959.64,2139.64) 3020.04,2199.96 cw(c2959.64,2139.64) 3045,2139.64 R27_IN11.1@3045,1365
ENABLE: HD2.1 HD2.9 J3.1 J3.4 J3.7 J3.10 J3.13 J3.16 U2.8 U2.10 U2.12 | length 7477.7
  Top Layer w20: U2.8@3790,1598.7 3790,1405 ; U2.10@3890,1598.7 3890,1410 3895,1405 ; U2.12@3990,1598.7 3990,1416.72 3978.28,1405 3895,1405 ; J3.1@4206.14,359.18 3819.29,746.03 cw(c3890,816.74) 3790,816.74 3790,1405 ; 3790,1405 3895,1405
  Bottom Layer w20: J3.1@4206.14,359.18 4206.14,316.72 4217.86,305 4490,305 ; J3.4@4533.31,359.18 4533.31,348.31 4490,305 ; J3.7@4860.47,359.18 4851.57,350.28 4851.57,316.57 4840,305 ; J3.10@5187.64,359.18 5187.64,346.59 5155,313.95 5155,305 ; J3.13@5514.8,359.18 5514.8,346.59 5485,316.79 5485,305 ; J3.16@5841.97,359.18 5787.79,305 ; HD2.9@6485,1845 6371.72,1845 6360,1856.72 6360,2190 6415,2245 ; HD2.1@6485,2245 6415,2245 ; 4490,305 4840,305 ; 4840,305 5155,305 ; 5155,305 5485,305 ; 5485,305 5787.79,305 ; 5787.79,305 6197.32,305 ccw(c6197.32,347.68) 6227.5,317.5 6272.15,362.15 ccw(c6216.97,417.32) 6295,417.32 6295,583.58 ccw(c6195,583.58) 6265.71,654.29 6014.29,905.71 cw(c6085,976.42) 5985,976.42 5985,2145 cw(c6085,2145) 6085,2245 6415,2245
ENABLE_1: C13.2 R24.2 R25.1 U2.1 | length 626.5
  Top Layer w20: R25.1@3610,1985 3612.5,1987.5 3787.5,1987.5 R24.2@3790,1985 3790,1910 3795,1905 4045,1905 4090,1860 U2.1@4090,1811.3